# Altium PCB 10515.0500_Display_System（6拼版）_V1.0_20200907.PcbDoc (part 5 of 13)
Units mm, origin at the board's own origin, x right, y up, seen from the top; angles counter-clockwise.
Board outline 157 x 228.4 mm, 4 copper layers (Top Layer, Mid-Layer 1, Mid-Layer 2, Bottom Layer); 516 components, 0 nets, 1971 pads, 894 vias.
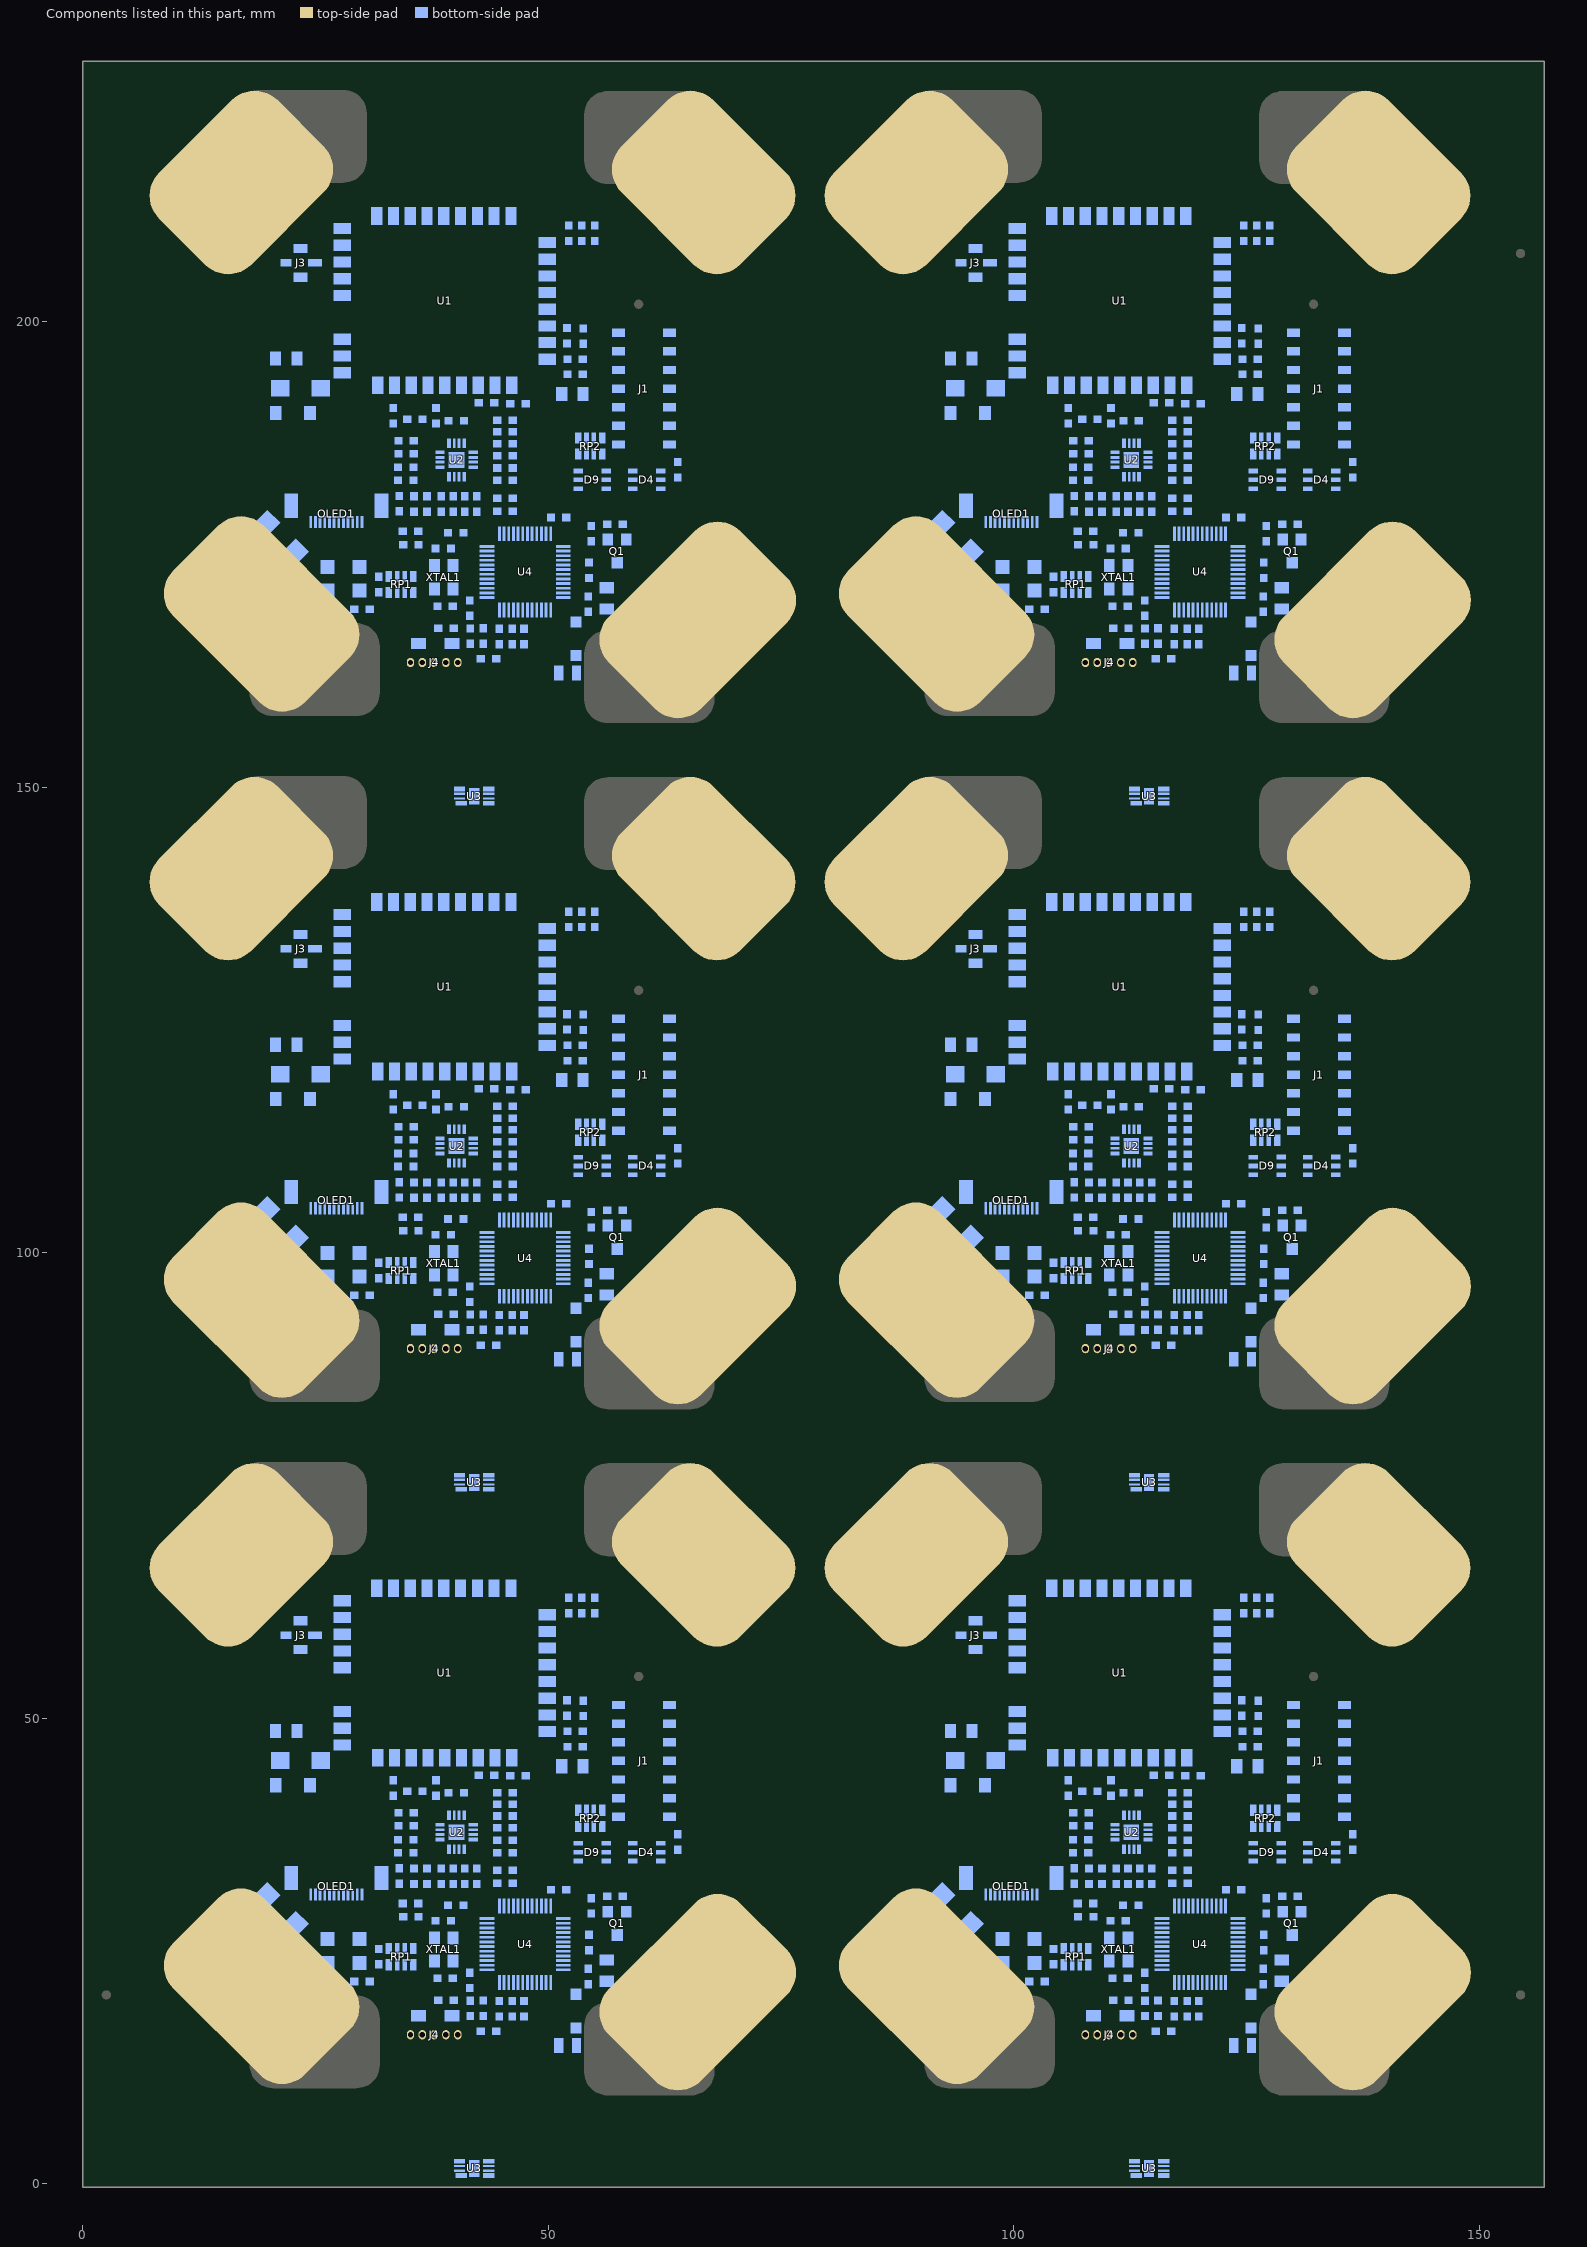
[diagram p7: the components of this part, seen from the top]

## Via types
v1: diameter 0.7, hole 0.4, Top Layer to Bottom Layer, tented both sides, 894 vias

## Nets (pads, with @x,y where several pads share a name; then routed paths per layer and width w, separated by ;. In a path a pad name is that pad's centre, name@x,y a point inside that pad or via, vN(x,y) a via of type N, cw(c..) or ccw(c..) an arc to the next point about the centre after c; other vN are vias at no path point) (continued)
copper on no net: (continued)
  Bottom Layer w0.2: 26.008,31.076 26.008,28.892 27.385,27.515 31.171,27.515 31.786,26.9 31.786,25.209 ; 26.008,104.776 26.008,102.592 27.385,101.215 31.171,101.215 31.786,100.6 31.786,98.909 ; 26.008,178.476 26.008,176.292 27.385,174.915 31.171,174.915 31.786,174.3 31.786,172.609 ; 31.57,25.464 ccw(c31.047,25.987) 31.786,25.987 ccw(c32.526,25.987) 32.003,25.464 ; 31.57,99.164 ccw(c31.047,99.687) 31.786,99.687 ccw(c32.526,99.687) 32.003,99.164 ; 31.57,172.864 ccw(c31.047,173.387) 31.786,173.387 ccw(c32.526,173.387) 32.003,172.864 ; 43.012,18.018 43.581,18.018 43.818,18.255 43.818,20.033 44.151,20.366 44.913,20.366 45.274,20.726 45.274,21.623 ; 43.012,91.718 43.581,91.718 43.818,91.955 43.818,93.733 44.151,94.066 44.913,94.066 45.274,94.426 45.274,95.323 ; 43.012,165.418 43.581,165.418 43.818,165.655 43.818,167.433 44.151,167.766 44.913,167.766 45.274,168.126 45.274,169.023 ; 43.268,17.849 cw(c43.581,17.643) 43.581,18.018 cw(c43.581,18.393) 43.268,18.187 ; 43.268,91.549 cw(c43.581,91.343) 43.581,91.718 cw(c43.581,92.093) 43.268,91.887 ; 43.268,165.249 cw(c43.581,165.043) 43.581,165.418 cw(c43.581,165.793) 43.268,165.587 ; 46.201,32.258 47.153,32.258 47.6,32.704 47.6,34.163 47.835,34.398 52.214,34.398 52.487,34.671 53.249,34.671 ; 46.201,33.655 47.026,33.655 47.2,33.828 47.2,34.59 47.407,34.798 51.502,34.798 52.337,35.633 52.337,36.322 52.586,36.571 53.249,36.571 ; 46.201,105.958 47.153,105.958 47.6,106.404 47.6,107.863 47.835,108.098 52.214,108.098 52.487,108.371 53.249,108.371 ; 46.201,107.355 47.026,107.355 47.2,107.528 47.2,108.29 47.407,108.498 51.502,108.498 52.337,109.333 52.337,110.022 52.586,110.271 53.249,110.271 ; 46.201,179.658 47.153,179.658 47.6,180.104 47.6,181.563 47.835,181.798 52.214,181.798 52.487,182.071 53.249,182.071 ; 46.201,181.055 47.026,181.055 47.2,181.228 47.2,181.99 47.407,182.198 51.502,182.198 52.337,183.033 52.337,183.722 52.586,183.971 53.249,183.971 ; 46.456,32.041 cw(c46.979,31.518) 46.979,32.258 cw(c46.979,32.998) 46.456,32.475 ; 46.456,33.438 cw(c46.979,32.915) 46.979,33.655 cw(c46.979,34.395) 46.456,33.872 ; 46.456,105.741 cw(c46.979,105.218) 46.979,105.958 cw(c46.979,106.698) 46.456,106.175 ; 46.456,107.138 cw(c46.979,106.615) 46.979,107.355 cw(c46.979,108.095) 46.456,107.572 ; 46.456,179.441 cw(c46.979,178.918) 46.979,179.658 cw(c46.979,180.398) 46.456,179.875 ; 46.456,180.838 cw(c46.979,180.315) 46.979,181.055 cw(c46.979,181.795) 46.456,181.272 ; 48.274,29.823 48.274,33.505 48.677,33.909 51.344,33.909 51.852,33.401 51.941,33.312 56.081,33.312 56.249,33.48 56.249,34.115 56.249,34.671 57.059,34.671 57.44,35.052 57.44,36.957 57.186,37.211 55.154,37.211 54.919,37.446 54.919,38.124 ; 48.274,103.523 48.274,107.205 48.677,107.609 51.344,107.609 51.852,107.101 51.941,107.012 56.081,107.012 56.249,107.18 56.249,107.815 56.249,108.371 57.059,108.371 57.44,108.752 57.44,110.657 57.186,110.911 55.154,110.911 54.919,111.146 54.919,111.824 ; 48.274,177.223 48.274,180.905 48.677,181.309 51.344,181.309 51.852,180.801 51.941,180.712 56.081,180.712 56.249,180.88 56.249,181.515 56.249,182.071 57.059,182.071 57.44,182.452 57.44,184.357 57.186,184.611 55.154,184.611 54.919,184.846 54.919,185.524 ; 48.774,29.823 48.774,33.224 49.058,33.509 51.167,33.509 51.764,32.912 57.567,32.912 57.948,33.293 57.948,33.909 57.948,36.322 58.197,36.571 59.091,36.571 59.091,37.465 58.729,37.827 56.116,37.827 55.819,38.124 ; 48.774,103.523 48.774,106.924 49.058,107.209 51.167,107.209 51.764,106.612 57.567,106.612 57.948,106.993 57.948,107.609 57.948,110.022 58.197,110.271 59.091,110.271 59.091,111.165 58.729,111.527 56.116,111.527 55.819,111.824 ; 48.774,177.223 48.774,180.624 49.058,180.909 51.167,180.909 51.764,180.312 57.567,180.312 57.948,180.693 57.948,181.309 57.948,183.722 58.197,183.971 59.091,183.971 59.091,184.865 58.729,185.227 56.116,185.227 55.819,185.524 ; 49.274,29.823 49.274,32.816 49.566,33.109 51.001,33.109 51.598,32.512 63.536,32.512 63.917,32.893 63.917,35.877 63.219,36.576 62.091,36.576 ; 49.274,103.523 49.274,106.516 49.566,106.809 51.001,106.809 51.598,106.212 63.536,106.212 63.917,106.593 63.917,109.577 63.219,110.276 62.091,110.276 ; 49.274,177.223 49.274,180.216 49.566,180.509 51.001,180.509 51.598,179.912 63.536,179.912 63.917,180.293 63.917,183.277 63.219,183.976 62.091,183.976 ; v1@52.537,34.494 cw(c52.964,34.067) 52.964,34.671 cw(c52.964,35.275) v1@52.537,34.848 ; v1@52.537,108.194 cw(c52.964,107.767) 52.964,108.371 cw(c52.964,108.975) v1@52.537,108.548 ; v1@52.537,181.894 cw(c52.964,181.467) 52.964,182.071 cw(c52.964,182.675) v1@52.537,182.248 ; 52.893,34.565 ccw(c52.637,34.309) 52.637,34.671 ccw(c52.637,35.033) 52.893,34.777 ; 52.893,36.465 ccw(c52.637,36.209) 52.637,36.571 ccw(c52.637,36.933) 52.893,36.677 ; 52.893,108.265 ccw(c52.637,108.009) 52.637,108.371 ccw(c52.637,108.733) 52.893,108.477 ; 52.893,110.165 ccw(c52.637,109.909) 52.637,110.271 ccw(c52.637,110.633) 52.893,110.377 ; 52.893,181.965 ccw(c52.637,181.709) 52.637,182.071 ccw(c52.637,182.433) 52.893,182.177 ; 52.893,183.865 ccw(c52.637,183.609) 52.637,183.971 ccw(c52.637,184.333) 52.893,184.077 ; 53.042,40.535 ccw(c52.507,41.07) 53.264,41.07 ; 53.042,114.235 ccw(c52.507,114.77) 53.264,114.77 ; 53.042,187.935 ccw(c52.507,188.47) 53.264,188.47 ; 53.219,39.854 53.264,39.899 53.264,41.671 53.884,42.291 56.17,42.291 57.298,43.419 ; 53.219,113.554 53.264,113.599 53.264,115.371 53.884,115.991 56.17,115.991 57.298,117.119 ; 53.219,187.254 53.264,187.299 53.264,189.071 53.884,189.691 56.17,189.691 57.298,190.819 ; 53.249,35.621 54.077,35.621 ; 53.249,109.321 54.077,109.321 ; 53.249,183.021 54.077,183.021 ; 53.264,40.853 ccw(c53.714,40.853) 53.396,40.535 ; 53.264,114.553 ccw(c53.714,114.553) 53.396,114.235 ; 53.264,188.253 ccw(c53.714,188.253) 53.396,187.935 ; 53.605,35.515 cw(c53.861,35.259) 53.861,35.621 cw(c53.861,35.983) 53.605,35.727 ; 53.605,109.215 cw(c53.861,108.959) 53.861,109.321 cw(c53.861,109.683) 53.605,109.427 ; 53.605,182.915 cw(c53.861,182.659) 53.861,183.021 cw(c53.861,183.383) 53.605,183.127 ; v1@53.942,37.642 ccw(c53.516,38.069) 54.119,38.069 ccw(c54.723,38.069) v1@54.296,37.642 ; v1@53.942,111.342 ccw(c53.516,111.769) 54.119,111.769 ccw(c54.723,111.769) v1@54.296,111.342 ; v1@53.942,185.042 ccw(c53.516,185.469) 54.119,185.469 ccw(c54.723,185.469) v1@54.296,185.042 ; 54.013,37.922 cw(c53.757,37.666) 54.119,37.666 cw(c54.481,37.666) 54.225,37.922 ; 54.013,40.564 ccw(c53.757,40.82) 54.119,40.82 ccw(c54.481,40.82) 54.225,40.564 ; 54.013,111.622 cw(c53.757,111.366) 54.119,111.366 cw(c54.481,111.366) 54.225,111.622 ; 54.013,114.264 ccw(c53.757,114.52) 54.119,114.52 ccw(c54.481,114.52) 54.225,114.264 ; 54.013,185.322 cw(c53.757,185.066) 54.119,185.066 cw(c54.481,185.066) 54.225,185.322 ; 54.013,187.964 ccw(c53.757,188.22) 54.119,188.22 ccw(c54.481,188.22) 54.225,187.964 ; v1(54.119,37.465) 54.119,38.378 ; 54.119,39.854 54.119,41.51 54.392,41.783 57.178,41.783 57.542,41.419 ; v1(54.119,111.165) 54.119,112.078 ; 54.119,113.554 54.119,115.21 54.392,115.483 57.178,115.483 57.542,115.119 ; v1(54.119,184.865) 54.119,185.778 ; 54.119,187.254 54.119,188.91 54.392,189.183 57.178,189.183 57.542,188.819 ; v1@54.215,34.848 ccw(c53.936,35.127) 54.331,35.127 ; v1@54.215,108.548 ccw(c53.936,108.827) 54.331,108.827 ; v1@54.215,182.248 ccw(c53.936,182.527) 54.331,182.527 ; 54.265,35.029 ccw(c54.665,35.029) v1@54.423,34.711 ; 54.265,108.729 ccw(c54.665,108.729) v1@54.423,108.411 ; 54.265,182.429 ccw(c54.665,182.429) v1@54.423,182.111 ; v1@54.331,34.732 54.331,35.621 54.077,35.621 ; 54.331,35.422 ccw(c55.143,35.422) v1@54.569,34.848 ; v1@54.331,108.432 54.331,109.321 54.077,109.321 ; 54.331,109.122 ccw(c55.143,109.122) v1@54.569,108.548 ; v1@54.331,182.132 54.331,183.021 54.077,183.021 ; 54.331,182.822 ccw(c55.143,182.822) v1@54.569,182.248 ; v1@54.392,34.798 54.265,34.925 54.265,35.433 ; v1@54.392,108.498 54.265,108.625 54.265,109.133 ; v1@54.392,182.198 54.265,182.325 54.265,182.833 ; v1@54.544,34.87 cw(c54.974,35.433) 54.265,35.433 ; v1@54.544,108.57 cw(c54.974,109.133) 54.265,109.133 ; v1@54.544,182.27 cw(c54.974,182.833) 54.265,182.833 ; 54.813,37.922 cw(c54.557,37.666) 54.919,37.666 cw(c55.281,37.666) 55.025,37.922 ; 54.813,40.564 ccw(c54.557,40.82) 54.919,40.82 ccw(c55.281,40.82) 55.025,40.564 ; 54.813,111.622 cw(c54.557,111.366) 54.919,111.366 cw(c55.281,111.366) 55.025,111.622 ; 54.813,114.264 ccw(c54.557,114.52) 54.919,114.52 ccw(c55.281,114.52) 55.025,114.264 ; 54.813,185.322 cw(c54.557,185.066) 54.919,185.066 cw(c55.281,185.066) 55.025,185.322 ; 54.813,187.964 ccw(c54.557,188.22) 54.919,188.22 ccw(c55.281,188.22) 55.025,187.964 ; 54.919,39.854 54.919,41.04 55.154,41.275 56.17,41.275 56.469,40.976 56.469,40.214 57.263,39.42 57.542,39.42 ; 54.919,113.554 54.919,114.74 55.154,114.975 56.17,114.975 56.469,114.676 56.469,113.914 57.263,113.12 57.542,113.12 ; 54.919,187.254 54.919,188.44 55.154,188.675 56.17,188.675 56.469,188.376 56.469,187.614 57.263,186.82 57.542,186.82 ; v1@55.119,34.071 ccw(c54.727,34.463) 55.281,34.463 ; v1@55.119,107.771 ccw(c54.727,108.163) 55.281,108.163 ; v1@55.119,181.471 ccw(c54.727,181.863) 55.281,181.863 ; v1(55.154,34.036) 55.154,35.179 ; v1(55.154,107.736) 55.154,108.879 ; v1(55.154,181.436) 55.154,182.579 ; v1@55.281,34.163 55.281,35.306 ; 55.281,34.946 cw(c54.244,34.946) 54.977,34.213 ccw(c54.551,34.64) 55.154,34.64 ccw(c55.758,34.64) v1@55.331,34.213 ; v1@55.281,107.863 55.281,109.006 ; 55.281,108.646 cw(c54.244,108.646) 54.977,107.913 ccw(c54.551,108.34) 55.154,108.34 ccw(c55.758,108.34) v1@55.331,107.913 ; v1@55.281,181.563 55.281,182.706 ; 55.281,182.346 cw(c54.244,182.346) 54.977,181.613 ccw(c54.551,182.04) 55.154,182.04 ccw(c55.758,182.04) v1@55.331,181.613 ; 55.819,39.608 cw(c55.819,39.014) 56.239,39.434 ; 55.819,39.854 56.469,39.204 56.469,38.563 56.805,38.227 61.861,38.227 63.054,39.42 ; 55.819,113.308 cw(c55.819,112.714) 56.239,113.134 ; 55.819,113.554 56.469,112.904 56.469,112.263 56.805,111.927 61.861,111.927 63.054,113.12 ; 55.819,187.008 cw(c55.819,186.414) 56.239,186.834 ; 55.819,187.254 56.469,186.604 56.469,185.963 56.805,185.627 61.861,185.627 63.054,186.82 ; 55.893,35.515 ccw(c55.637,35.259) 55.637,35.621 ccw(c55.637,35.983) 55.893,35.727 ; 55.893,109.215 ccw(c55.637,108.959) 55.637,109.321 ccw(c55.637,109.683) 55.893,109.427 ; 55.893,182.915 ccw(c55.637,182.659) 55.637,183.021 ccw(c55.637,183.383) 55.893,183.127 ; 56.069,39.858 ccw(c56.682,39.858) 56.249,39.424 ; 56.069,113.558 ccw(c56.682,113.558) 56.249,113.124 ; 56.069,187.258 ccw(c56.682,187.258) 56.249,186.824 ; 56.143,34.565 cw(c55.887,34.309) 56.249,34.309 cw(c56.611,34.309) 56.355,34.565 ; 56.143,108.265 cw(c55.887,108.009) 56.249,108.009 cw(c56.611,108.009) 56.355,108.265 ; 56.143,181.965 cw(c55.887,181.709) 56.249,181.709 cw(c56.611,181.709) 56.355,181.965 ; 56.249,35.621 55.596,35.621 ; 56.249,109.321 55.596,109.321 ; 56.249,183.021 55.596,183.021 ; 56.605,34.565 cw(c56.861,34.309) 56.861,34.671 cw(c56.861,35.033) 56.605,34.777 ; 56.605,108.265 cw(c56.861,108.009) 56.861,108.371 cw(c56.861,108.733) 56.605,108.477 ; 56.605,181.965 cw(c56.861,181.709) 56.861,182.071 cw(c56.861,182.433) 56.605,182.177 ; 56.645,40.038 ccw(c57.292,40.684) 57.292,39.77 ; 56.645,113.738 ccw(c57.292,114.384) 57.292,113.47 ; 56.645,187.438 ccw(c57.292,188.084) 57.292,187.17 ; 56.69,42.811 ccw(c56.082,43.419) 56.942,43.419 ; 56.69,116.511 ccw(c56.082,117.119) 56.942,117.119 ; 56.69,190.211 ccw(c56.082,190.819) 56.942,190.819 ; 56.705,42.826 cw(c57.292,42.239) 57.292,43.069 ; 56.705,116.526 cw(c57.292,115.939) 57.292,116.769 ; 56.705,190.226 cw(c57.292,189.639) 57.292,190.469 ; 56.715,39.969 cw(c56.166,39.42) 56.942,39.42 ; 56.715,113.669 cw(c56.166,113.12) 56.942,113.12 ; 56.715,187.369 cw(c56.166,186.82) 56.942,186.82 ; 57.795,30.644 cw(c57.272,30.121) 58.012,30.121 cw(c58.751,30.121) 58.228,30.644 ; 57.795,104.344 cw(c57.272,103.821) 58.012,103.821 cw(c58.751,103.821) 58.228,104.344 ; 57.795,178.044 cw(c57.272,177.521) 58.012,177.521 cw(c58.751,177.521) 58.228,178.044 ; 58.012,29.719 ccw(c58.681,29.719) 58.301,29.168 ; 58.012,30.1 ccw(c58.943,30.1) 58.415,29.332 ; 58.012,30.48 ccw(c59.206,30.48) 58.528,29.497 ; 58.012,103.419 ccw(c58.681,103.419) 58.301,102.868 ; 58.012,103.8 ccw(c58.943,103.8) 58.415,103.032 ; 58.012,104.18 ccw(c59.206,104.18) 58.528,103.197 ; 58.012,177.119 ccw(c58.681,177.119) 58.301,176.568 ; 58.012,177.5 ccw(c58.943,177.5) 58.415,176.732 ; 58.012,177.88 ccw(c59.206,177.88) 58.528,176.897 ; 58.117,28.752 cw(c57.807,28.276) v1@58.374,28.276 ; 58.117,102.452 cw(c57.807,101.976) v1@58.374,101.976 ; 58.117,176.152 cw(c57.807,175.676) v1@58.374,175.676 ; v1@58.279,28.371 ccw(c58.051,28.6) 58.374,28.6 ; v1@58.279,102.071 ccw(c58.051,102.3) 58.374,102.3 ; v1@58.279,175.771 ccw(c58.051,176) 58.374,176 ; 58.374,28.995 ccw(c59.258,28.995) v1@58.633,28.371 ; 58.374,102.695 ccw(c59.258,102.695) v1@58.633,102.071 ; 58.374,176.395 ccw(c59.258,176.395) v1@58.633,175.771 ; v1(58.456,28.194) v1@58.374,28.276 ; v1(58.456,101.894) v1@58.374,101.976 ; v1(58.456,175.594) v1@58.374,175.676 ; 58.632,28.752 ccw(c58.942,28.276) v1@58.374,28.276 ; 58.632,102.452 ccw(c58.942,101.976) v1@58.374,101.976 ; 58.632,176.152 ccw(c58.942,175.676) v1@58.374,175.676 ; 58.642,29.662 cw(c59.468,30.861) 58.012,30.861 58.012,29.573 58.374,29.21 v1@58.374,28.276 ; 58.642,103.362 cw(c59.468,104.561) 58.012,104.561 58.012,103.273 58.374,102.91 v1@58.374,101.976 ; 58.642,177.062 cw(c59.468,178.261) 58.012,178.261 58.012,176.973 58.374,176.61 v1@58.374,175.676 ; 58.735,36.465 ccw(c58.479,36.209) 58.479,36.571 ccw(c58.479,36.933) 58.735,36.677 ; 58.735,110.165 ccw(c58.479,109.909) 58.479,110.271 ccw(c58.479,110.633) 58.735,110.377 ; 58.735,183.865 ccw(c58.479,183.609) 58.479,183.971 ccw(c58.479,184.333) 58.735,184.077 ; 58.985,36.677 ccw(c58.729,36.933) 59.091,36.933 ccw(c59.453,36.933) 59.197,36.677 ; 58.985,110.377 ccw(c58.729,110.633) 59.091,110.633 ccw(c59.453,110.633) 59.197,110.377 ; 58.985,184.077 ccw(c58.729,184.333) 59.091,184.333 ccw(c59.453,184.333) 59.197,184.077 ; 59.091,35.621 v1(59.919,35.621) ; 59.091,109.321 v1(59.919,109.321) ; 59.091,183.021 v1(59.919,183.021) ; 59.447,35.515 cw(c59.703,35.259) 59.703,35.621 cw(c59.703,35.983) 59.447,35.727 ; 59.447,109.215 cw(c59.703,108.959) 59.703,109.321 cw(c59.703,109.683) 59.447,109.427 ; 59.447,182.915 cw(c59.703,182.659) 59.703,183.021 cw(c59.703,183.383) 59.447,183.127 ; v1@59.742,35.444 ccw(c59.316,35.017) 59.316,35.621 ccw(c59.316,36.225) v1@59.742,35.798 ; v1@59.742,109.144 ccw(c59.316,108.717) 59.316,109.321 ccw(c59.316,109.925) v1@59.742,109.498 ; v1@59.742,182.844 ccw(c59.316,182.417) 59.316,183.021 ccw(c59.316,183.625) v1@59.742,183.198 ; 62.029,38.396 ccw(c61.005,39.42) 62.454,39.42 ; 62.029,112.096 ccw(c61.005,113.12) 62.454,113.12 ; 62.029,185.796 ccw(c61.005,186.82) 62.454,186.82 ; 62.371,38.737 ccw(c61.688,39.42) 62.654,39.42 ; 62.371,112.437 ccw(c61.688,113.12) 62.654,113.12 ; 62.371,186.137 ccw(c61.688,186.82) 62.654,186.82 ; 62.447,36.47 cw(c62.703,36.214) 62.703,36.576 cw(c62.703,36.938) 62.447,36.682 ; 62.447,110.17 cw(c62.703,109.914) 62.703,110.276 cw(c62.703,110.638) 62.447,110.382 ; 62.447,183.87 cw(c62.703,183.614) 62.703,183.976 cw(c62.703,184.338) 62.447,184.082 ; 62.633,38.999 cw(c62.804,38.829) 62.804,39.07 ; 62.633,112.699 cw(c62.804,112.529) 62.804,112.77 ; 62.633,186.399 cw(c62.804,186.229) 62.804,186.47 ; 63.054,41.419 63.9,41.419 ; 63.054,115.119 63.9,115.119 ; 63.054,188.819 63.9,188.819 ; 63.329,36.466 ccw(c63.917,37.054) 63.917,36.222 ; 63.329,110.166 ccw(c63.917,110.754) 63.917,109.922 ; 63.329,183.866 ccw(c63.917,184.454) 63.917,183.622 ; 63.421,36.374 cw(c62.963,35.916) 63.611,35.916 ; 63.421,110.074 cw(c62.963,109.616) 63.611,109.616 ; 63.421,183.774 cw(c62.963,183.316) 63.611,183.316 ; 63.609,41.249 cw(c63.9,41.087) 63.9,41.419 ; 63.609,41.59 ccw(c63.9,41.752) 63.9,41.419 ; 63.609,114.949 cw(c63.9,114.787) 63.9,115.119 ; 63.609,115.29 ccw(c63.9,115.452) 63.9,115.119 ; 63.609,188.649 cw(c63.9,188.487) 63.9,188.819 ; 63.609,188.99 ccw(c63.9,189.152) 63.9,188.819 ; 63.701,35.623 cw(c63.178,35.1) 63.917,35.1 cw(c64.657,35.1) 64.134,35.623 ; 63.701,109.323 cw(c63.178,108.8) 63.917,108.8 cw(c64.657,108.8) 64.134,109.323 ; 63.701,183.023 cw(c63.178,182.5) 63.917,182.5 cw(c64.657,182.5) 64.134,183.023 ; 63.917,37.529 64.425,38.036 64.425,40.894 63.9,41.419 ; 63.917,111.228 64.425,111.736 64.425,114.594 63.9,115.119 ; 63.917,184.928 64.425,185.436 64.425,188.294 63.9,188.819 ; 98.508,31.076 98.508,28.892 99.885,27.515 103.671,27.515 104.286,26.9 104.286,25.209 ; 98.508,104.776 98.508,102.592 99.885,101.215 103.671,101.215 104.286,100.6 104.286,98.909 ; 98.508,178.476 98.508,176.292 99.885,174.915 103.671,174.915 104.286,174.3 104.286,172.609 ; 104.07,25.464 ccw(c103.547,25.987) 104.286,25.987 ccw(c105.026,25.987) 104.503,25.464 ; 104.07,99.164 ccw(c103.547,99.687) 104.286,99.687 ccw(c105.026,99.687) 104.503,99.164 ; 104.07,172.864 ccw(c103.547,173.387) 104.286,173.387 ccw(c105.026,173.387) 104.503,172.864 ; 115.512,18.018 116.081,18.018 ; 115.512,91.718 116.081,91.718 ; 115.512,165.418 116.081,165.418 ; 115.768,17.849 cw(c116.081,17.643) 116.081,18.018 ; 115.768,18.187 ccw(c116.081,18.393) 116.081,18.018 ; 115.768,91.549 cw(c116.081,91.343) 116.081,91.718 ; 115.768,91.887 ccw(c116.081,92.093) 116.081,91.718 ; 115.768,165.249 cw(c116.081,165.043) 116.081,165.418 ; 115.768,165.587 ccw(c116.081,165.793) 116.081,165.418 ; 117.774,21.623 117.774,20.726 117.413,20.366 116.651,20.366 116.318,20.033 116.318,18.255 116.081,18.018 ; 117.774,95.323 117.774,94.426 117.413,94.066 116.651,94.066 116.318,93.733 116.318,91.955 116.081,91.718 ; 117.774,169.023 117.774,168.126 117.413,167.766 116.651,167.766 116.318,167.433 116.318,165.655 116.081,165.418 ; 118.701,32.258 119.653,32.258 120.1,32.704 120.1,34.163 120.335,34.398 124.714,34.398 124.987,34.671 125.749,34.671 ; 118.701,33.655 119.526,33.655 119.7,33.828 119.7,34.59 119.907,34.798 124.002,34.798 124.837,35.633 124.837,36.322 125.086,36.571 125.749,36.571 ; 118.701,105.958 119.653,105.958 120.1,106.404 120.1,107.863 120.335,108.098 124.714,108.098 124.987,108.371 125.749,108.371 ; 118.701,107.355 119.526,107.355 119.7,107.528 119.7,108.29 119.907,108.498 124.002,108.498 124.837,109.333 124.837,110.022 125.086,110.271 125.749,110.271 ; 118.701,179.658 119.653,179.658 120.1,180.104 120.1,181.563 120.335,181.798 124.714,181.798 124.987,182.071 125.749,182.071 ; 118.701,181.055 119.526,181.055 119.7,181.228 119.7,181.99 119.907,182.198 124.002,182.198 124.837,183.033 124.837,183.722 125.086,183.971 125.749,183.971 ; 118.956,32.041 cw(c119.479,31.518) 119.479,32.258 cw(c119.479,32.998) 118.956,32.475 ; 118.956,33.438 cw(c119.479,32.915) 119.479,33.655 cw(c119.479,34.395) 118.956,33.872 ; 118.956,105.741 cw(c119.479,105.218) 119.479,105.958 cw(c119.479,106.698) 118.956,106.175 ; 118.956,107.138 cw(c119.479,106.615) 119.479,107.355 cw(c119.479,108.095) 118.956,107.572 ; 118.956,179.441 cw(c119.479,178.918) 119.479,179.658 cw(c119.479,180.398) 118.956,179.875 ; 118.956,180.838 cw(c119.479,180.315) 119.479,181.055 cw(c119.479,181.795) 118.956,181.272 ; 120.774,29.823 120.774,33.505 121.177,33.909 123.844,33.909 124.352,33.401 124.441,33.312 128.581,33.312 128.749,33.48 128.749,34.115 128.749,34.671 129.559,34.671 129.94,35.052 129.94,36.957 129.686,37.211 127.654,37.211 127.419,37.446 127.419,38.124 ; 120.774,103.523 120.774,107.205 121.177,107.609 123.844,107.609 124.352,107.101 124.441,107.012 128.581,107.012 128.749,107.18 128.749,107.815 128.749,108.371 129.559,108.371 129.94,108.752 129.94,110.657 129.686,110.911 127.654,110.911 127.419,111.146 127.419,111.824 ; 120.774,177.223 120.774,180.905 121.177,181.309 123.844,181.309 124.352,180.801 124.441,180.712 128.581,180.712 128.749,180.88 128.749,181.515 128.749,182.071 129.559,182.071 129.94,182.452 129.94,184.357 129.686,184.611 127.654,184.611 127.419,184.846 127.419,185.524 ; 121.274,29.823 121.274,33.224 121.558,33.509 123.667,33.509 124.264,32.912 130.067,32.912 130.448,33.293 130.448,33.909 130.448,36.322 130.697,36.571 131.591,36.571 131.591,37.465 131.229,37.827 128.616,37.827 128.319,38.124 ; 121.274,103.523 121.274,106.924 121.558,107.209 123.667,107.209 124.264,106.612 130.067,106.612 130.448,106.993 130.448,107.609 130.448,110.022 130.697,110.271 131.591,110.271 131.591,111.165 131.229,111.527 128.616,111.527 128.319,111.824 ; 121.274,177.223 121.274,180.624 121.558,180.909 123.667,180.909 124.264,180.312 130.067,180.312 130.448,180.693 130.448,181.309 130.448,183.722 130.697,183.971 131.591,183.971 131.591,184.865 131.229,185.227 128.616,185.227 128.319,185.524 ; 121.774,29.823 121.774,32.816 122.066,33.109 123.501,33.109 124.098,32.512 136.036,32.512 136.417,32.893 136.417,35.877 135.719,36.576 134.591,36.576 ; 121.774,103.523 121.774,106.516 122.066,106.809 123.501,106.809 124.098,106.212 136.036,106.212 136.417,106.593 136.417,109.577 135.719,110.276 134.591,110.276 ; 121.774,177.223 121.774,180.216 122.066,180.509 123.501,180.509 124.098,179.912 136.036,179.912 136.417,180.293 136.417,183.277 135.719,183.976 134.591,183.976 ; v1@125.037,34.494 cw(c125.464,34.067) 125.464,34.671 cw(c125.464,35.275) v1@125.037,34.848 ; v1@125.037,108.194 cw(c125.464,107.767) 125.464,108.371 cw(c125.464,108.975) v1@125.037,108.548 ; v1@125.037,181.894 cw(c125.464,181.467) 125.464,182.071 cw(c125.464,182.675) v1@125.037,182.248 ; 125.393,34.565 ccw(c125.137,34.309) 125.137,34.671 ccw(c125.137,35.033) 125.393,34.777 ; 125.393,36.465 ccw(c125.137,36.209) 125.137,36.571 ccw(c125.137,36.933) 125.393,36.677 ; 125.393,108.265 ccw(c125.137,108.009) 125.137,108.371 ccw(c125.137,108.733) 125.393,108.477 ; 125.393,110.165 ccw(c125.137,109.909) 125.137,110.271 ccw(c125.137,110.633) 125.393,110.377 ; 125.393,181.965 ccw(c125.137,181.709) 125.137,182.071 ccw(c125.137,182.433) 125.393,182.177 ; 125.393,183.865 ccw(c125.137,183.609) 125.137,183.971 ccw(c125.137,184.333) 125.393,184.077 ; 125.542,40.535 ccw(c125.007,41.07) 125.764,41.07 ; 125.542,114.235 ccw(c125.007,114.77) 125.764,114.77 ; 125.542,187.935 ccw(c125.007,188.47) 125.764,188.47 ; 125.719,39.854 125.764,39.899 125.764,41.671 126.384,42.291 128.67,42.291 129.798,43.419 ; 125.719,113.554 125.764,113.599 125.764,115.371 126.384,115.991 128.67,115.991 129.798,117.119 ; 125.719,187.254 125.764,187.299 125.764,189.071 126.384,189.691 128.67,189.691 129.798,190.819 ; 125.749,35.621 126.577,35.621 ; 125.749,109.321 126.577,109.321 ; 125.749,183.021 126.577,183.021 ; 125.764,40.853 ccw(c126.214,40.853) 125.896,40.535 ; 125.764,114.553 ccw(c126.214,114.553) 125.896,114.235 ; 125.764,188.253 ccw(c126.214,188.253) 125.896,187.935 ; 126.105,35.515 cw(c126.361,35.259) 126.361,35.621 cw(c126.361,35.983) 126.105,35.727 ; 126.105,109.215 cw(c126.361,108.959) 126.361,109.321 cw(c126.361,109.683) 126.105,109.427 ; 126.105,182.915 cw(c126.361,182.659) 126.361,183.021 cw(c126.361,183.383) 126.105,183.127 ; v1@126.442,37.642 ccw(c126.016,38.069) 126.619,38.069 ccw(c127.223,38.069) v1@126.796,37.642 ; v1@126.442,111.342 ccw(c126.016,111.769) 126.619,111.769 ccw(c127.223,111.769) v1@126.796,111.342 ; v1@126.442,185.042 ccw(c126.016,185.469) 126.619,185.469 ccw(c127.223,185.469) v1@126.796,185.042 ; 126.513,37.922 cw(c126.257,37.666) 126.619,37.666 cw(c126.981,37.666) 126.725,37.922 ; 126.513,40.564 ccw(c126.257,40.82) 126.619,40.82 ccw(c126.981,40.82) 126.725,40.564 ; 126.513,111.622 cw(c126.257,111.366) 126.619,111.366 cw(c126.981,111.366) 126.725,111.622 ; 126.513,114.264 ccw(c126.257,114.52) 126.619,114.52 ccw(c126.981,114.52) 126.725,114.264 ; 126.513,185.322 cw(c126.257,185.066) 126.619,185.066 cw(c126.981,185.066) 126.725,185.322 ; 126.513,187.964 ccw(c126.257,188.22) 126.619,188.22 ccw(c126.981,188.22) 126.725,187.964 ; v1(126.619,37.465) 126.619,38.378 ; 126.619,39.854 126.619,41.51 126.892,41.783 129.678,41.783 130.042,41.419 ; v1(126.619,111.165) 126.619,112.078 ; 126.619,113.554 126.619,115.21 126.892,115.483 129.678,115.483 130.042,115.119 ; v1(126.619,184.865) 126.619,185.778 ; 126.619,187.254 126.619,188.91 126.892,189.183 129.678,189.183 130.042,188.819 ; v1@126.715,34.848 ccw(c126.436,35.127) 126.831,35.127 ; v1@126.715,108.548 ccw(c126.436,108.827) 126.831,108.827 ; v1@126.715,182.248 ccw(c126.436,182.527) 126.831,182.527 ; 126.765,35.029 ccw(c127.165,35.029) v1@126.923,34.711 ; 126.765,108.729 ccw(c127.165,108.729) v1@126.923,108.411 ; 126.765,182.429 ccw(c127.165,182.429) v1@126.923,182.111 ; v1@126.831,34.732 126.831,35.621 126.577,35.621 ; 126.831,35.422 ccw(c127.643,35.422) v1@127.069,34.848 ; v1@126.831,108.432 126.831,109.321 126.577,109.321 ; 126.831,109.122 ccw(c127.643,109.122) v1@127.069,108.548 ; v1@126.831,182.132 126.831,183.021 126.577,183.021 ; 126.831,182.822 ccw(c127.643,182.822) v1@127.069,182.248 ; v1@126.892,34.798 126.765,34.925 126.765,35.433 ; v1@126.892,108.498 126.765,108.625 126.765,109.133 ; v1@126.892,182.198 126.765,182.325 126.765,182.833 ; v1@127.044,34.87 cw(c127.474,35.433) 126.765,35.433 ; v1@127.044,108.57 cw(c127.474,109.133) 126.765,109.133 ; v1@127.044,182.27 cw(c127.474,182.833) 126.765,182.833 ; 127.313,37.922 cw(c127.057,37.666) 127.419,37.666 cw(c127.781,37.666) 127.525,37.922 ; 127.313,40.564 ccw(c127.057,40.82) 127.419,40.82 ccw(c127.781,40.82) 127.525,40.564 ; 127.313,111.622 cw(c127.057,111.366) 127.419,111.366 cw(c127.781,111.366) 127.525,111.622 ; 127.313,114.264 ccw(c127.057,114.52) 127.419,114.52 ccw(c127.781,114.52) 127.525,114.264 ; 127.313,185.322 cw(c127.057,185.066) 127.419,185.066 cw(c127.781,185.066) 127.525,185.322 ; 127.313,187.964 ccw(c127.057,188.22) 127.419,188.22 ccw(c127.781,188.22) 127.525,187.964 ; 127.419,39.854 127.419,41.04 127.654,41.275 128.67,41.275 128.969,40.976 128.969,40.214 129.763,39.42 130.042,39.42 ; 127.419,113.554 127.419,114.74 127.654,114.975 128.67,114.975 128.969,114.676 128.969,113.914 129.763,113.12 130.042,113.12 ; 127.419,187.254 127.419,188.44 127.654,188.675 128.67,188.675 128.969,188.376 128.969,187.614 129.763,186.82 130.042,186.82 ; v1@127.619,34.071 ccw(c127.227,34.463) 127.781,34.463 ; v1@127.619,107.771 ccw(c127.227,108.163) 127.781,108.163 ; v1@127.619,181.471 ccw(c127.227,181.863) 127.781,181.863 ; v1(127.654,34.036) 127.654,35.179 ; v1(127.654,107.736) 127.654,108.879 ; v1(127.654,181.436) 127.654,182.579 ; v1@127.781,34.163 127.781,35.306 ; 127.781,34.946 cw(c126.744,34.946) 127.477,34.213 ccw(c127.051,34.64) 127.654,34.64 ccw(c128.258,34.64) v1@127.831,34.213 ; v1@127.781,107.863 127.781,109.006 ; 127.781,108.646 cw(c126.744,108.646) 127.477,107.913 ccw(c127.051,108.34) 127.654,108.34 ccw(c128.258,108.34) v1@127.831,107.913 ; v1@127.781,181.563 127.781,182.706 ; 127.781,182.346 cw(c126.744,182.346) 127.477,181.613 ccw(c127.051,182.04) 127.654,182.04 ccw(c128.258,182.04) v1@127.831,181.613 ; 128.319,39.608 cw(c128.319,39.014) 128.739,39.434 ; 128.319,39.854 128.969,39.204 128.969,38.563 129.305,38.227 134.361,38.227 135.554,39.42 ; 128.319,113.308 cw(c128.319,112.714) 128.739,113.134 ; 128.319,113.554 128.969,112.904 128.969,112.263 129.305,111.927 134.361,111.927 135.554,113.12 ; 128.319,187.008 cw(c128.319,186.414) 128.739,186.834 ; 128.319,187.254 128.969,186.604 128.969,185.963 129.305,185.627 134.361,185.627 135.554,186.82 ; 128.393,35.515 ccw(c128.137,35.259) 128.137,35.621 ccw(c128.137,35.983) 128.393,35.727 ; 128.393,109.215 ccw(c128.137,108.959) 128.137,109.321 ccw(c128.137,109.683) 128.393,109.427 ; 128.393,182.915 ccw(c128.137,182.659) 128.137,183.021 ccw(c128.137,183.383) 128.393,183.127 ; 128.569,39.858 ccw(c129.182,39.858) 128.749,39.424 ; 128.569,113.558 ccw(c129.182,113.558) 128.749,113.124 ; 128.569,187.258 ccw(c129.182,187.258) 128.749,186.824 ; 128.643,34.565 cw(c128.387,34.309) 128.749,34.309 cw(c129.111,34.309) 128.855,34.565 ; 128.643,108.265 cw(c128.387,108.009) 128.749,108.009 cw(c129.111,108.009) 128.855,108.265 ; 128.643,181.965 cw(c128.387,181.709) 128.749,181.709 cw(c129.111,181.709) 128.855,181.965 ; 128.749,35.621 128.096,35.621 ; 128.749,109.321 128.096,109.321 ; 128.749,183.021 128.096,183.021 ; 129.105,34.565 cw(c129.361,34.309) 129.361,34.671 cw(c129.361,35.033) 129.105,34.777 ; 129.105,108.265 cw(c129.361,108.009) 129.361,108.371 cw(c129.361,108.733) 129.105,108.477 ; 129.105,181.965 cw(c129.361,181.709) 129.361,182.071 cw(c129.361,182.433) 129.105,182.177 ; 129.145,40.038 ccw(c129.792,40.684) 129.792,39.77 ; 129.145,113.738 ccw(c129.792,114.384) 129.792,113.47 ; 129.145,187.438 ccw(c129.792,188.084) 129.792,187.17 ; 129.19,42.811 ccw(c128.582,43.419) 129.442,43.419 ; 129.19,116.511 ccw(c128.582,117.119) 129.442,117.119 ; 129.19,190.211 ccw(c128.582,190.819) 129.442,190.819 ; 129.205,42.826 cw(c129.792,42.239) 129.792,43.069 ; 129.205,116.526 cw(c129.792,115.939) 129.792,116.769 ; 129.205,190.226 cw(c129.792,189.639) 129.792,190.469 ; 129.215,39.969 cw(c128.666,39.42) 129.442,39.42 ; 129.215,113.669 cw(c128.666,113.12) 129.442,113.12 ; 129.215,187.369 cw(c128.666,186.82) 129.442,186.82 ; 130.295,30.644 cw(c129.772,30.121) 130.512,30.121 cw(c131.251,30.121) 130.728,30.644 ; 130.295,104.344 cw(c129.772,103.821) 130.512,103.821 cw(c131.251,103.821) 130.728,104.344 ; 130.295,178.044 cw(c129.772,177.521) 130.512,177.521 cw(c131.251,177.521) 130.728,178.044 ; 130.512,29.719 ccw(c131.181,29.719) 130.801,29.168 ; 130.512,30.1 ccw(c131.443,30.1) 130.915,29.332 ; 130.512,30.48 ccw(c131.706,30.48) 131.028,29.497 ; 130.512,103.419 ccw(c131.181,103.419) 130.801,102.868 ; 130.512,103.8 ccw(c131.443,103.8) 130.915,103.032 ; 130.512,104.18 ccw(c131.706,104.18) 131.028,103.197 ; 130.512,177.119 ccw(c131.181,177.119) 130.801,176.568 ; 130.512,177.5 ccw(c131.443,177.5) 130.915,176.732 ; 130.512,177.88 ccw(c131.706,177.88) 131.028,176.897 ; 130.617,28.752 cw(c130.307,28.276) v1@130.874,28.276 ; 130.617,102.452 cw(c130.307,101.976) v1@130.874,101.976 ; 130.617,176.152 cw(c130.307,175.676) v1@130.874,175.676 ; v1@130.779,28.371 ccw(c130.551,28.6) 130.874,28.6 ; v1@130.779,102.071 ccw(c130.551,102.3) 130.874,102.3 ; v1@130.779,175.771 ccw(c130.551,176) 130.874,176 ; 130.874,28.995 ccw(c131.758,28.995) v1@131.133,28.371 ; 130.874,102.695 ccw(c131.758,102.695) v1@131.133,102.071 ; 130.874,176.395 ccw(c131.758,176.395) v1@131.133,175.771 ; v1(130.956,28.194) v1@130.874,28.276 ; v1(130.956,101.894) v1@130.874,101.976 ; v1(130.956,175.594) v1@130.874,175.676 ; 131.132,28.752 ccw(c131.442,28.276) v1@130.874,28.276 ; 131.132,102.452 ccw(c131.442,101.976) v1@130.874,101.976 ; 131.132,176.152 ccw(c131.442,175.676) v1@130.874,175.676 ; 131.142,29.662 cw(c131.968,30.861) 130.512,30.861 130.512,29.573 130.874,29.21 v1@130.874,28.276 ; 131.142,103.362 cw(c131.968,104.561) 130.512,104.561 130.512,103.273 130.874,102.91 v1@130.874,101.976 ; 131.142,177.062 cw(c131.968,178.261) 130.512,178.261 130.512,176.973 130.874,176.61 v1@130.874,175.676 ; 131.235,36.465 ccw(c130.979,36.209) 130.979,36.571 ccw(c130.979,36.933) 131.235,36.677 ; 131.235,110.165 ccw(c130.979,109.909) 130.979,110.271 ccw(c130.979,110.633) 131.235,110.377 ; 131.235,183.865 ccw(c130.979,183.609) 130.979,183.971 ccw(c130.979,184.333) 131.235,184.077 ; 131.485,36.677 ccw(c131.229,36.933) 131.591,36.933 ccw(c131.953,36.933) 131.697,36.677 ; 131.485,110.377 ccw(c131.229,110.633) 131.591,110.633 ccw(c131.953,110.633) 131.697,110.377 ; 131.485,184.077 ccw(c131.229,184.333) 131.591,184.333 ccw(c131.953,184.333) 131.697,184.077 ; 131.591,35.621 v1(132.419,35.621) ; 131.591,109.321 v1(132.419,109.321) ; 131.591,183.021 v1(132.419,183.021) ; 131.947,35.515 cw(c132.203,35.259) 132.203,35.621 cw(c132.203,35.983) 131.947,35.727 ; 131.947,109.215 cw(c132.203,108.959) 132.203,109.321 cw(c132.203,109.683) 131.947,109.427 ; 131.947,182.915 cw(c132.203,182.659) 132.203,183.021 cw(c132.203,183.383) 131.947,183.127 ; v1@132.242,35.444 ccw(c131.816,35.017) 131.816,35.621 ccw(c131.816,36.225) v1@132.242,35.798 ; v1@132.242,109.144 ccw(c131.816,108.717) 131.816,109.321 ccw(c131.816,109.925) v1@132.242,109.498 ; v1@132.242,182.844 ccw(c131.816,182.417) 131.816,183.021 ccw(c131.816,183.625) v1@132.242,183.198 ; 134.529,38.396 ccw(c133.505,39.42) 134.954,39.42 ; 134.529,112.096 ccw(c133.505,113.12) 134.954,113.12 ; 134.529,185.796 ccw(c133.505,186.82) 134.954,186.82 ; 134.871,38.737 ccw(c134.188,39.42) 135.154,39.42 ; 134.871,112.437 ccw(c134.188,113.12) 135.154,113.12 ; 134.871,186.137 ccw(c134.188,186.82) 135.154,186.82 ; 134.947,36.47 cw(c135.203,36.214) 135.203,36.576 cw(c135.203,36.938) 134.947,36.682 ; 134.947,110.17 cw(c135.203,109.914) 135.203,110.276 cw(c135.203,110.638) 134.947,110.382 ; 134.947,183.87 cw(c135.203,183.614) 135.203,183.976 cw(c135.203,184.338) 134.947,184.082 ; 135.133,38.999 cw(c135.304,38.829) 135.304,39.07 ; 135.133,112.699 cw(c135.304,112.529) 135.304,112.77 ; 135.133,186.399 cw(c135.304,186.229) 135.304,186.47 ; 135.554,41.419 136.4,41.419 ; 135.554,115.119 136.4,115.119 ; 135.554,188.819 136.4,188.819 ; 135.829,36.466 ccw(c136.417,37.054) 136.417,36.222 ; 135.829,110.166 ccw(c136.417,110.754) 136.417,109.922 ; 135.829,183.866 ccw(c136.417,184.454) 136.417,183.622 ; 135.921,36.374 cw(c135.463,35.916) 136.111,35.916 ; 135.921,110.074 cw(c135.463,109.616) 136.111,109.616 ; 135.921,183.774 cw(c135.463,183.316) 136.111,183.316 ; 136.109,41.249 cw(c136.4,41.087) 136.4,41.419 ; 136.109,41.59 ccw(c136.4,41.752) 136.4,41.419 ; 136.109,114.949 cw(c136.4,114.787) 136.4,115.119 ; 136.109,115.29 ccw(c136.4,115.452) 136.4,115.119 ; 136.109,188.649 cw(c136.4,188.487) 136.4,188.819 ; 136.109,188.99 ccw(c136.4,189.152) 136.4,188.819 ; 136.201,35.623 cw(c135.678,35.1) 136.417,35.1 cw(c137.157,35.1) 136.634,35.623 ; 136.201,109.323 cw(c135.678,108.8) 136.417,108.8 cw(c137.157,108.8) 136.634,109.323 ; 136.201,183.023 cw(c135.678,182.5) 136.417,182.5 cw(c137.157,182.5) 136.634,183.023 ; 136.417,37.529 136.925,38.036 136.925,40.894 136.4,41.419 ; 136.417,111.228 136.925,111.736 136.925,114.594 136.4,115.119 ; 136.417,184.928 136.925,185.436 136.925,188.294 136.4,188.819 ; 54.077,35.621 54.265,35.433 ; 54.077,109.321 54.265,109.133 ; 54.077,183.021 54.265,182.833 ; 55.154,35.179 55.281,35.306 ; 55.154,35.179 55.154,35.433 55.342,35.621 55.596,35.621 ; 55.154,108.879 55.281,109.006 ; 55.154,108.879 55.154,109.133 55.342,109.321 55.596,109.321 ; 55.154,182.579 55.281,182.706 ; 55.154,182.579 55.154,182.833 55.342,183.021 55.596,183.021 ; 55.281,35.306 55.596,35.621 ; 55.281,109.006 55.596,109.321 ; 55.281,182.706 55.596,183.021 ; 126.577,35.621 126.765,35.433 ; 126.577,109.321 126.765,109.133 ; 126.577,183.021 126.765,182.833 ; 127.654,35.179 127.781,35.306 ; 127.654,35.179 127.654,35.433 127.842,35.621 128.096,35.621 ; 127.654,108.879 127.781,109.006 ; 127.654,108.879 127.654,109.133 127.842,109.321 128.096,109.321 ; 127.654,182.579 127.781,182.706 ; 127.654,182.579 127.654,182.833 127.842,183.021 128.096,183.021 ; 127.781,35.306 128.096,35.621 ; 127.781,109.006 128.096,109.321 ; 127.781,182.706 128.096,183.021